# Altium PCB PCB.PcbDoc (continued)
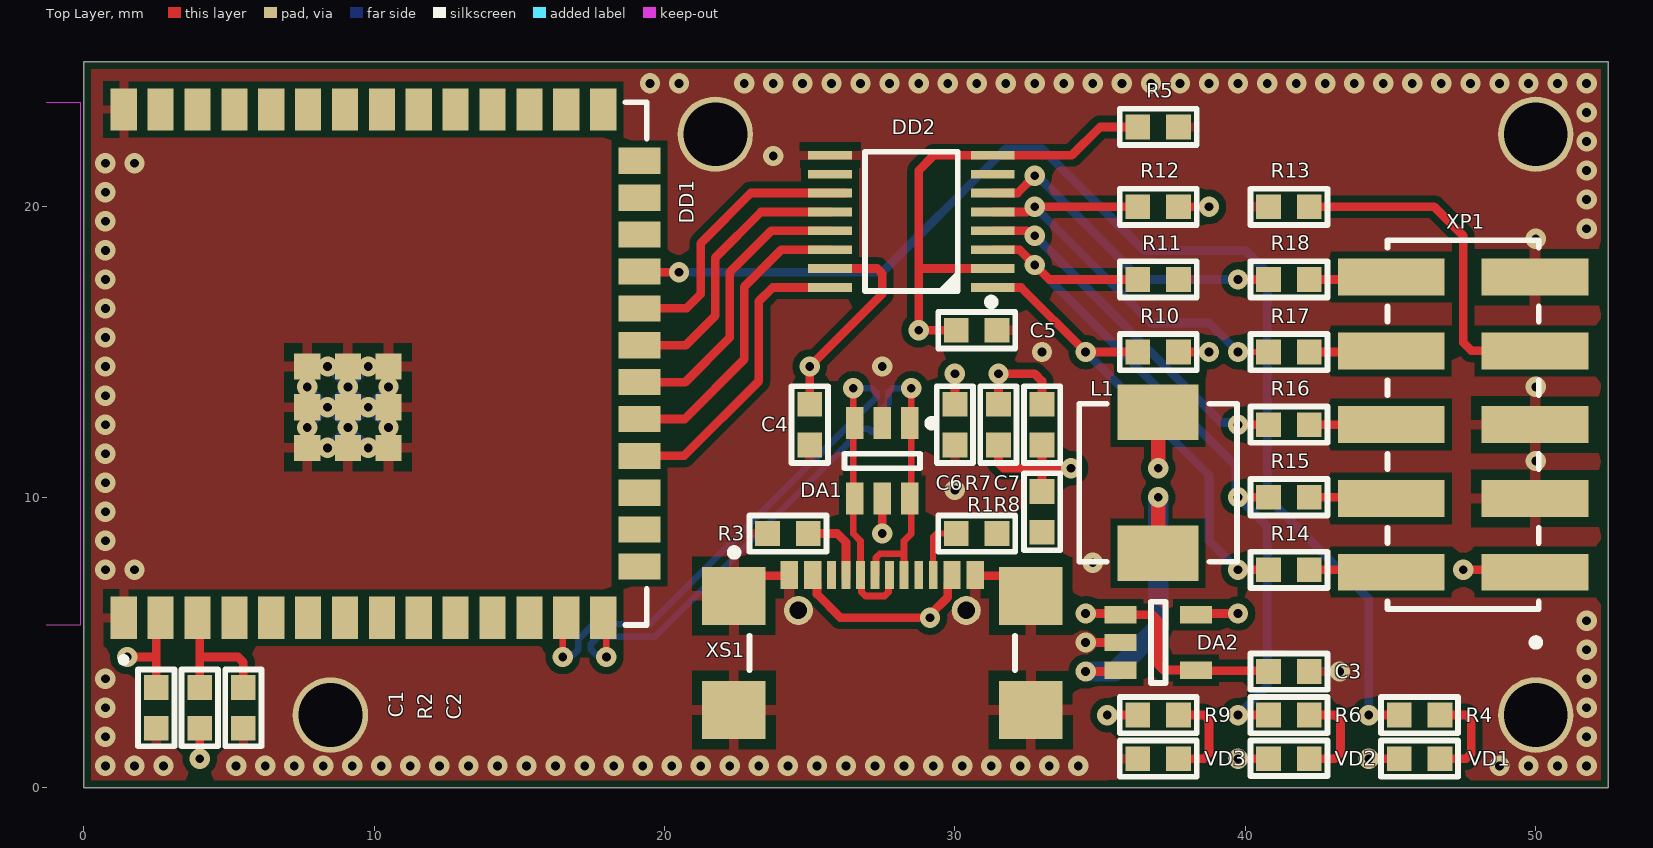
[diagram p0: Top Layer view]
## Footprints (in the part's own frame and the unit in brackets; to place one, negate y for a bottom-side part, rotate by r counter-clockwise, add the part's x,y. Pads: shape width x height; smd on the part's side, far side on the other; paste and mask are expansions set on the pad)
16-SSOP [mm] "pitch 0.635 mm"
  rect 1.5x0.3 smd: 1(-2.8,2.275) 2(-2.8,1.625) 3(-2.8,0.975) 4(-2.8,0.325) 5(-2.8,-0.325) 6(-2.8,-0.975) 7(-2.8,-1.625) 8(-2.8,-2.275) 9(2.8,-2.275) 10(2.8,-1.625) 11(2.8,-0.975) 12(2.8,-0.325) 13(2.8,0.325) 14(2.8,0.975) 15(2.8,1.625) 16(2.8,2.275)
  rect 0.5x0.5 on Mech1: ""(-2.6,2)
  silkscreen extent -2.88,-2.4 1.6,2.9, body extent -3.13,-2.5 3.13,2.5, height 1.73
"BOASVIEWbasic:Ocновной вид платы:2,5:1:0:0" [mm]
"BOASVIEWdrill:Таблица отверстий:0:0:0:0" [mm]
"BOASVIEWlayer:Bottom Layer:10:-1:32:5:auto" [mm]
BOASVIEWlayer:Int1:10:1:2:3:auto [mm]
BOASVIEWlayer:Int2:10:-1:3:4:auto [mm]
"BOASVIEWlayer:Top Layer:10:1:1:2:auto" [mm]
"BOASVIEWrazrez:Разрез платы:50:0:0:0" [mm]
"BOASVIEWside:Вид платы сверху:2,5:0:0:0" [mm]
"CAP: 0603" [mm]
  rect 0.85x0.85 smd: 1(-0.7,0) 2(0.7,0)
  silkscreen extent -1.33,-0.63 1.33,0.63, body extent -0.8,-0.4 0.8,0.4, height 0.45
FP-IHLP-2020CZ-FP_1_905x2-MFG [mm]
  rect 1.905x2.79 smd paste+0 mask+0: 1(-2.425,0) 2(2.425,0)
  silkscreen extent -2.72,-2.72 2.72,2.72, body extent -3.48,-2.82 3.48,2.82, height 0.25
FP-TSM-105-01-F-DV-MFG [mm]
  rect 1.27x3.68 smd paste+0 mask+0: 1(5.08,2.475) 2(5.08,-2.475) 3(2.54,2.475) 4(2.54,-2.475) 5(0,2.475) 6(0,-2.475) 7(-2.54,2.475) 8(-2.54,-2.475) 9(-5.08,2.475) 10(-5.08,-2.475)
  silkscreen extent -6.35,-2.61 7.62,2.63, body extent -6.45,-4.42 6.45,4.42, height 0.25
FP-USB4110-GF-A-MFG [mm]
  rect 0.3x0.95 smd paste+0 mask+0: A8(1.25,3.825) B8(-1.75,3.825) CC1(-1.25,3.825) CC2(1.75,3.825) D+(-0.25,3.825) D+(0.75,3.825) D-(-0.75,3.825) D-(0.25,3.825)
  rect 0.6x0.95 smd paste+0 mask+0: GND(-3.2,3.825) GND(3.2,3.825) VBUS(-2.4,3.825) VBUS(2.4,3.825)
  rect 2.18x2 smd paste+0 mask+0: SHLD(-5.11,-0.825) SHLD(-5.11,3.105) SHLD(5.11,-0.825) SHLD(5.11,3.105)
  round 1 hole 0.6: ""(-2.89,2.605) ""(2.89,2.605)
  silkscreen extent -5.22,0.55 4.57,4.72, body extent -6.3,-3.92 6.3,4.36, height 0.25
"LED: 0603B" [mm]
  rect 0.85x0.85 smd: 1(-0.7,0) 2(0.7,0)
  silkscreen extent -1.33,-0.63 1.33,0.6, body extent -0.8,-0.4 0.8,0.4, height 0.6
"LED: 0603G" [mm]
  rect 0.85x0.85 smd: 1(-0.7,0) 2(0.7,0)
  silkscreen extent -1.33,-0.63 1.33,0.63, body extent -0.8,-0.4 0.8,0.4, height 0.6
"LED: 0603R" [mm]
  rect 0.85x0.85 smd: 1(-0.7,0) 2(0.7,0)
  silkscreen extent -1.33,-0.63 1.33,0.63, body extent -0.8,-0.4 0.8,0.4, height 0.6
"RES: 0603" [mm]
  rect 0.85x0.85 smd: 1(-0.7,0) 2(0.7,0)
  silkscreen extent -1.33,-0.63 1.33,0.63, body extent -0.8,-0.4 0.8,0.4, height 0.45
SOT23-5 [mm] "pitch 0.95 mm"
  rect 1.1x0.6 smd: 1(-1.3,0.95) 2(-1.3,0) 3(-1.3,-0.95) 4(1.3,-0.95) 5(1.3,0.95)
  round 0.5 on Mech1: ""(-1.1,1.1)
  silkscreen extent -0.25,-1.4 0.25,1.4, body extent -1.5,-1.5 1.5,1.5, height 1.3
SOT23-6 [mm] "pitch 0.95 mm"
  rect 1.1x0.6 smd: 1(-1.3,0.95) 2(-1.3,0) 3(-1.3,-0.95) 4(1.3,-0.95) 5(1.3,0) 6(1.3,0.95)
  round 0.5 on Mech1: ""(-1,1.1)
  silkscreen extent -1.42,-1.3 0.25,1.83, body extent -1.4,-1.45 1.4,1.45, height 1.45
? [mm]
  rect 1.45x0.9 smd: 1(-8.75,5.26) 2(-8.75,3.99) 3(-8.75,2.72) 4(-8.75,1.45) 5(-8.75,0.18) 6(-8.75,-1.09) 7(-8.75,-2.36) 8(-8.75,-3.63) 9(-8.75,-4.9) 10(-8.75,-6.17) 11(-8.75,-7.44) 12(-8.75,-8.71) 13(-8.75,-9.98) 14(-8.75,-11.25) 27(8.75,-11.25) 28(8.75,-9.98) 29(8.75,-8.71) 30(8.75,-7.44) 31(8.75,-6.17) 32(8.75,-4.9) 33(8.75,-3.63) 34(8.75,-2.36) 35(8.75,-1.09) 36(8.75,0.18) 37(8.75,1.45) 38(8.75,2.72) 39(8.75,3.99) 40(8.75,5.26)
  rect 0.9x1.45 smd: 15(-6.985,-12.5) 16(-5.715,-12.5) 17(-4.445,-12.5) 18(-3.175,-12.5) 19(-1.905,-12.5) 20(-0.635,-12.5) 21(0.635,-12.5) 22(1.905,-12.5) 23(3.175,-12.5) 24(4.445,-12.5) 25(5.715,-12.5) 26(6.985,-12.5)
  rect 0.9x0.9 smd: 41(-2.9,-2.46) 41(-2.9,-1.06) 41(-2.9,-3.86) 41(-1.5,-1.06) 41(-1.5,-3.86) 41(-1.5,-2.46) 41(-0.1,-1.06) 41(-0.1,-2.46) 41(-0.1,-3.86)
  Keep-Out Layer region: 9,6.75 -9,6.75 -9,12.75 9,12.75
  Keep-Out Layer region: 9,6.75 -9,6.75 -9,12.75 9,12.75
  silkscreen extent -10.3,-12.75 9,5.36, body extent -9,-12.75 9,12.75, height 3.25

## Part data
C1 C2 C3 C4 C5 C6 C7: library part C, Manufacturer="AVX Interconnect / Elco", Part Number=04023J0R9BBWTR
DA1: "RailClamp(R) Low Capacitance TVS Diode Array, 5 pF, 17.5 VC, -55 to 125 degC, 6-Pin SOT23, RoHS, Tape and Reel", Capacitance Value=5pF, Clamping Voltage=17.5V, Clamping Voltage (Max)=12.5V, Leakage Current=5uA, Manufacturer=Semtech, Operating Temp Range=-55Cto125C, Operating Temperature Classification=Military, Operating Temperature Max Deg. C=125C, Operating Temperature Min Deg. C=-55C, Package / Case=SOT-23, Package Description="6-Pin Small Outline Transistor, Body 2.9 x 1.6 mm, Pitch 0.95 mm", Package Reference=SOT23-6, Peak Pulse Current=12A, Peak Pulse Power Dissipation=300W, Reverse Breakdown Voltage=6V, Reverse Stand-off Voltage=5V, Test Current (It)=1mA, Configuration=Quad, Datasheet URL=https://datasheet.ciiva.com/8029/srv05-4-8029973.pdf, Datasheet Version=Jan-08, Direction Type=Uni-Directional, Leakage Current (Max)=5uA, Manufacturer URL=http://www.semtech.com/, Mounting=SurfaceMount, Mounting Style=SurfaceMount, Number of Elements=1, Packaging=TapeandReel, Pin Count=6, Polarity=Uni-Directional, Product Depth (mm)=1.6mm, Product Height (mm)=1.15mm, Product Length (mm)=2.9mm, Rad Hardened=No, Suppressor Type=DiodeArrays, Working Voltage=5V, Working Voltage (Max)=5V
DA2: library part STU_SW, "IC REG BUCK ADJ 2A SOT23-5", Case/Package=SOT-23-5, Max Input Voltage=5.5V, Max Operating Temperature=125°C, Min Input Voltage=2.5V, Min Operating Temperature=-40°C, Min Output Voltage=600mV, Output Current=2A, Switching Frequency=1.5MHz, Max Output Voltage=5.5V, Mount="Surface Mount", Output Configuration=Positive, Output Type=Adjustable, Packaging="Cut Tape", RoHS Compliant=Yes, Synchronous Rectifier=Yes
DD1: library part ESP32-S3, "RX TXRX MODULE WIFI U.FL SMD", Case/Package=SMD/SMT, Frequency=2.5GHz, Max Operating Temperature=85°C, Min Operating Temperature=-40°C, Data Rate=150Mbps, Interface=I2C, Memory Size=536KB, Mount="Surface Mount", Packaging="Tape and Reel", Sensitivity=-98dBm
DD2: Ambient Temperature Range High=85°C, Case/Package=TSSOP, High Level Output Current=-20µA, Low Level Output Current=20µA, Manufacturer Lifecycle Status=ACTIVE, Max Junction Temperature (Tj)=150°C, Max Supply Voltage=5.5V, Min Operating Temperature=-40°C, Min Supply Voltage=1.2V, Quiescent Current=3.5µA, Contact Plating=Gold, Data Rate=100Mbps, Height=1.2mm, Lead Free="Lead Free", Length=5mm, Lifecycle Status=Production, Logic Function=Translator, Max Operating Temperature=85°C, Min Supply Voltage (DC)=1.2V, Mount="Surface Mount", NexarPartId=9437508, Number of Bits=6, Number of Channels=6, Number of Circuits=1, Number of Inputs=6, Number of Outputs=6, Number of Pins=16, Number of Transceivers=6, Output Current=20µA, Packaging="Cut Tape (CT)", Propagation Delay=4ns, Radiation Hardening=No, REACH SVHC="No SVHC", RoHS=Compliant, Schedule B="8542390000, 8542390000", Termination=SMD/SMT, Thickness=1mm, Turn-On Delay Time=9.5ns, Weight=61.887009mg, Width=4.4mm
L1: library part L, "Fixed Inductors Commercial High Saturation Series 2.2uH 5.8A 29.2mΩ 20%", Case/Package=2020, Current Rating=5.8A, DC Resistance (DCR)=29.2mR, Inductance=2.2uH, Inductance Tolerance=20%, Max DC Current=10A, Max Operating Temperature=125°C, Min Operating Temperature=-55°C, Package Quantity=2000, Self Resonant Frequency=39MHz, Test Frequency=100kHz, Contact Plating=Tin, Core Material=Metal, Depth=5.43mm, Height=3mm, Height - Seated (Max)=0.118inch, Lead Free="Lead Free", Length=5.74mm, Military Standard=Not, Mount="Surface Mount", Packaging="Tape and Reel", Radiation Hardening=No, RMS Current (Irms)=5.8A, Saturation Current=10A, Shielding=Shielded, Termination=SMD/SMT, Tolerance=20%, Weight=0.007055oz, Width=0.204inch
R1 R2 R3 R4 R5 R6 R7 R8 R9 R10 R11 R12 R13 R14 R15 R16 R17 R18: library part R, Manufacturer="Yageo / Phycomp", Part Number=RC0402FR-074K7L
VD1: library part LED, "FYLS-0603UGC", Color=GREEN, ColorParameter=Green, Temperature=-55...+150°C, TypeDiode=LED, ValueManufacturerPartNumber="LED, Green, *, *, *, -55...+150°C"
VD2: library part LED, "FYLS-0603UBC", Color=GREEN, ColorParameter=Green, Temperature=-55...+150°C, TypeDiode=LED, ValueManufacturerPartNumber="LED, Green, *, *, *, -55...+150°C"
VD3: library part LED, Color=GREEN, ColorParameter=Green, Temperature=-55...+150°C, TypeDiode=LED, ValueManufacturerPartNumber="LED, Green, *, *, *, -55...+150°C"
XP1: library part TST-10
XS1: library part USB-C, "CONN RCP USB3.1 TYPEC 24P SMD RA", Connector Type=USB, Gender=Receptacle, Mount="Surface Mount", Number of Contacts=24, Number of Pins=24, Packaging="Cut Tape"

## Free pads (board coordinates)
  round 2.6 hole 2.2: 1(8.5,2.5) 1(21.75,22.5) 1(50,2.5) 1(50,22.5)

## Via types
v1: diameter 0.7, hole 0.3, Top Layer to Bottom Layer, tented both sides, 157 vias
v2: diameter 0.7/0.7/0.7/0.7 (per signal layer), hole 0.3, Top Layer to Bottom Layer, tented both sides, 1 vias

## Nets (pads, with @x,y where several pads share a name; then routed paths per layer and width w, separated by ;. In a path a pad name is that pad's centre, name@x,y a point inside that pad or via, vN(x,y) a via of type N, cw(c..) or ccw(c..) an arc to the next point about the centre after c; other vN are vias at no path point)
GND: C1.1 C2.1 C3.1 C4.1 C5.1 C6.1 DA1.2 DA2.2 DD1.1 DD1.40 DD1.41 DD2.9 pad.1 R1.2 R3.2 R5.2 R8.2 R11.1 R13.2 VD1.2 VD2.2 VD3.2 XP1.3 XP1.5 XP1.9 XS1. XS1.GND XS1.SHLD | length 44
  Top Layer w0.3: DD1.41@9.1,13.1 v1(9.1,13.8) ; XS1.SHLD@22.39,6.605 23.085,7.3 XS1.GND@24.3,7.3 ; XS1.GND@30.7,7.3 31.915,7.3 XS1.SHLD@32.61,6.605 ; v1(34.5,5) DA2.2 ; v1(39.75,1) VD2.2 ; v1(44.25,1) VD1.2
  Int1 w0.3: v1(7.7,12.4) v1(8.4,13.1) ; v1(7.7,13.8) v1(8.4,13.1) ; v1(8.4,11.7) v1(9.1,12.4) ; v1(8.4,14.5) v1(9.1,13.8) ; v1(9.8,11.7) v1(9.1,12.4) ; v1(9.8,14.5) v1(9.1,13.8) ; v1(10.5,12.4) v1(9.8,13.1) ; v1(10.5,13.8) v1(9.8,13.1) ; v1(8.4,13.1) v1(9.1,12.4) ; v1(8.4,13.1) v1(9.1,13.8) ; v1(9.1,12.4) v1(9.8,13.1) ; v1(9.1,13.8) v1(9.8,13.1)
  Int2 w0.3: v1(7.7,12.4) v1(8.4,13.1) ; v1(7.7,13.8) v1(8.4,13.1) ; v1(8.4,11.7) v1(9.1,12.4) ; v1(8.4,14.5) v1(9.1,13.8) ; v1(9.8,11.7) v1(9.1,12.4) ; v1(9.8,14.5) v1(9.1,13.8) ; v1(10.5,12.4) v1(9.8,13.1) ; v1(10.5,13.8) v1(9.8,13.1) ; v1(8.4,13.1) v1(9.1,13.8) ; v1(8.4,13.1) v1(9.1,12.4) ; v1(9.1,12.4) v1(9.8,13.1) ; v1(9.1,13.8) v1(9.8,13.1)
  Bottom Layer w0.3: v1(7.7,12.4) v1(8.4,13.1) ; v1(7.7,13.8) v1(8.4,13.1) ; v1(8.4,11.7) v1(9.1,12.4) ; v1(8.4,14.5) v1(9.1,13.8) ; v1(9.8,11.7) v1(9.1,12.4) ; v1(9.8,14.5) v1(9.1,13.8) ; v1(10.5,12.4) v1(9.8,13.1) ; v1(10.5,13.8) v1(9.8,13.1) ; v1(8.4,13.1) v1(9.1,12.4) ; v1(8.4,13.1) v1(9.1,13.8) ; v1(9.1,12.4) v1(9.8,13.1) ; v1(9.1,13.8) v1(9.8,13.1)
  other v1: 0.75,0.75 1.75,0.75 2.75,0.75 5.25,0.75 6.25,0.75 7.25,0.75 8.25,0.75 9.25,0.75 10.25,0.75 11.25,0.75 12.25,0.75 13.25,0.75 14.25,0.75 15.25,0.75 16.25,0.75 17.25,0.75 18.25,0.75 19.25,0.75 20.25,0.75 21.25,0.75 22.25,0.75 23.25,0.75 24.25,0.75 25.25,0.75 26.25,0.75 27.25,0.75 28.25,0.75 29.25,0.75 30.25,0.75 31.25,0.75 32.25,0.75 33.25,0.75 34.25,0.75 48.75,0.75 49.75,0.75 50.75,0.75 51.75,0.75 0.75,1.75 51.75,1.75 0.75,2.75 51.75,2.75 0.75,3.75 51.75,3.75 43.25,4 51.75,4.75 51.75,5.75 0.75,7.5 1.75,7.5 34.746,7.746 0.75,8.5 0.75,9.5 30,10.25 0.75,10.5 50,11.25 0.75,11.5 0.75,12.5 0.75,13.5 50,13.8 0.75,14.5 27.5,14.5 33,15 0.75,15.5 0.75,16.5 0.75,17.5 0.75,18.5 50,18.9 51.75,19.25 0.75,19.5 51.75,20.25 0.75,20.5 51.75,21.25 0.75,21.5 1.75,21.5 23.75,21.75 51.75,22.25 51.75,23.25 19.5,24.25 20.5,24.25 22.75,24.25 23.75,24.25 24.75,24.25 25.75,24.25 26.75,24.25 27.75,24.25 28.75,24.25 29.75,24.25 30.75,24.25 31.75,24.25 32.75,24.25 33.75,24.25 34.75,24.25 35.75,24.25 36.75,24.25 37.75,24.25 38.75,24.25 39.75,24.25 40.75,24.25 41.75,24.25 42.75,24.25 43.75,24.25 44.75,24.25 45.75,24.25 46.75,24.25 47.75,24.25 48.75,24.25 49.75,24.25 50.75,24.25 51.75,24.25
NetC2_2: C2.2 DD1.3 R2.1 | length 4.6
  Top Layer w0.3: DD1.3 4,5.77 4,4.5 ; R2.1@4,3.7 4,4.5 ; C2.2 5.5,4.324 5.324,4.5 4,4.5
NetC3_2: C3.2 DA1.5 DA2.1 DA2.4 XS1.VBUS | length 26.3
  Top Layer w0.3: XS1.VBUS@25.1,7.18 25.25,7.03 25.25,6.668 26.063,5.855 v1(29.145,5.855) 29.145,5.956 29.75,6.561 29.75,7.03 XS1.VBUS@29.9,7.18 ; v1(27.5,8.75) DA1.5 ; v1(34.5,6) 35.65,6 DA2.1 36.8,5.95 37,5.75 37,4.226 37.176,4.05 DA2.4 38.325,4.025 C3.2@40.8,4.025
  Int1 w1: v1(27.5,8.75) 28.5,8.75 29.145,8.105 v1(29.145,5.855) 29.145,5.605 29.961,4.789 30.789,4.789 32,6 v1(34.5,6)
NetC5_2: C5.2 DD2.2 DD2.8 R5.1 R10.1 R12.1 XP1.1 | length 53.1
  Top Layer w0.3: C5.2 v1(28.75,15.75) 28.75,17.875 ; DD2.2 28.75,17.875 ; R5.1 35,22.75 34.025,21.775 DD2.8 29.275,21.775 28.75,21.25 28.75,17.875 ; R10.1 v1(38.75,15) ; R12.1 v1(38.75,20) ; v1(47.5,7.5) 49.895,7.5 XP1.1
  Int1 w1: v1(28.75,15.75) 29.25,16.25 35,16.25 36.25,17.5 ; v1(38.75,20) 36.25,17.5 ; v1(47.5,7.5) 47.5,13.25 47,13.75 39.25,13.75 38.75,14.25 v1(38.75,15) 36.25,17.5
NetC7_1: C7.1 DA2.5 R7.2 R8.1 | length 14
  Top Layer w0.3: R7.2 31.5,11.176 31.676,11 33,11 ; R8.1 33,11 ; C7.1 33,11 ; v1(34,11) 33,11 ; DA2.5 DA2.5@38.325,5.975 ; DA2.5@38.4,5.975 38.425,6 v1(39.75,6)
  Int1 w1: v1(34,11) 34.25,11 39.25,6 v1(39.75,6)
NetDA1_1: DA1.1 DA1.6 DD1.14 XS1.D+ | length 25.8
  Top Layer w0.23: DD1.14 18,5.74 v1(18,4.5) ; XS1.D+@27.25,7.3 27.285,7.335 27.285,7.92 27.42,8.055 28.25,8.055 ; XS1.D+@28.25,7.3 28.25,8.055 ; v1(28.5,13.75) 28.5,12.6 DA1.1 28.5,12.5 28.5,10 DA1.6 28.5,9.9 28.5,8.75 28.25,8.5 28.25,8.055
  Bottom Layer w0.23: v1(18,4.5) 17.91,4.59 17.632,4.59 17.465,4.757 17.465,4.947 17.712,5.195 19.663,5.195 25,10.532 25.622,11.154 26.234,11.766 26.831,12.363 27.022,12.363 27.123,12.262 27.175,12.262 27.639,12.726 27.639,12.778 27.538,12.879 27.538,13.07 27.715,13.247 27.715,13.615 27.85,13.75 v1(28.5,13.75)
NetDA1_3: DA1.3 DA1.4 DD1.13 XS1.D- | length 25.8
  Top Layer w0.23: v1(16.5,4.5) 16.5,5.73 DD1.13 ; v1(26.5,13.75) 26.5,12.6 DA1.3 26.5,12.5 26.5,10 DA1.4 26.5,9.9 26.5,8.75 26.75,8.5 XS1.D-@26.75,7.325 ; XS1.D-@26.75,7.3 26.785,7.265 26.785,6.735 26.92,6.6 27.58,6.6 27.715,6.735 27.715,7.145 XS1.D-@27.75,7.18
  Bottom Layer w0.23: v1(16.5,4.5) 16.59,4.59 16.868,4.59 17.035,4.757 17.035,5.125 17.534,5.625 19.233,5.625 19.485,5.625 19.663,5.803 25,11.14 25.318,11.458 27.285,13.425 27.285,13.615 27.15,13.75 v1(26.5,13.75)
NetDA2_3: DA2.3 L1.1 | length 10.8
  Top Layer w0.3: v1(34.5,4) 35.65,4 DA2.3
  Top Layer w0.5: L1.1 v1(37,10)
  Bottom Layer w0.7: v1(34.5,4) 35.5,4 37,5.5 v1(37,10)
NetDD1_18: DD1.18 DD2.16 | length 11.1
  Top Layer w0.3: DD1.18 20.675,11.425 23.25,14 23.25,16.75 23.725,17.225 DD2.16@26.219,17.225
NetDD1_19: DD1.19 DD2.14 | length 10.4
  Top Layer w0.3: DD1.19 20.695,12.695 22.75,14.75 22.75,17.25 24.025,18.525 DD2.14
NetDD1_20: DD1.20 DD2.13 | length 10
  Top Layer w0.3: DD1.20 20.715,13.965 22.25,15.5 22.25,17.75 23.675,19.175 DD2.13
NetDD1_21: DD1.21 DD2.12 | length 9.6
  Top Layer w0.3: DD1.21 20.735,15.235 21.75,16.25 21.75,18.25 23.325,19.825 DD2.12
NetDD1_22: DD1.22 DD2.11 | length 9.8
  Top Layer w0.3: DD1.22 20.755,16.505 21.25,17 21.25,18.75 22.975,20.475 DD2.11@26.223,20.475
NetDD1_23: DD1.23 R4.2 | length 42.9
  Top Layer w0.2: DD1.23 DD1.23@19.165,17.75
  Top Layer w0.3: DD1.23@19.165,17.75 v1(20.5,17.75) ; v1(44.25,2.5) R4.2
  Bottom Layer w0.3: v1(20.5,17.75) 27.5,17.75 31.5,21.75 31.75,22 33,22 36.5,18.5 40,18.5 40.75,17.75 40.75,10 44.25,6.5 v1(44.25,2.5)
NetDD2_1: DD2.1 R10.2 R14.2 | length 16.6
  Top Layer w0.3: DD2.1 32.275,17.225 v1(34.5,15) R10.2 ; v1(39.75,7.5) R14.2
  Bottom Layer w0.3: v1(34.5,15) 38.75,10.75 38.75,8.5 v1(39.75,7.5)
NetDD2_3: DD2.3 R6.2 R11.2 R15.2 | length 26.8
  Top Layer w0.3: DD2.3 32.225,18.525 33.25,17.5 R11.2 ; v1(39.75,2.5) R6.2 ; v2(39.75,10) R15.2
  Bottom Layer w0.3: v1(32.75,18) 39.673,11.076 39.673,10.077 40.75,9 40.75,3.5 v1(39.75,2.5)
NetDD2_4: DD2.4 R16.2 | length 12.3
  Top Layer w0.3: DD2.4 32.467,19.175 32.642,19 v1(32.75,19) ; v1(39.75,12.5) R16.2
  Bottom Layer w0.3: v1(32.75,19) 39.173,12.577 39.673,12.577 v1(39.75,12.5)
NetDD2_5: DD2.5 R12.2 R17.2 | length 15.3
  Top Layer w0.2: v1(39.75,15) R17.2
  Top Layer w0.3: DD2.5 32.467,19.825 32.642,20 R12.2
  Bottom Layer w0.3: v1@32.625,19.875 32.875,19.875 36.75,16 38.75,16 v1(39.75,15)
  other v1: 32.75,20
NetDD2_6: DD2.6 R18.2 | length 11.2
  Top Layer w0.3: DD2.6 32.158,20.475 v1(32.75,21.067) ; v1(39.75,17.5) R18.2
  Bottom Layer w0.3: v1(32.75,21.067) 32.836,21.067 36.403,17.5 v1(39.75,17.5)
NetR1_1: R1.1 XS1.CC2 | length 2.3
  Top Layer w0.2: XS1.CC2@29.25,7.18 29.25,8.64 29.367,8.757 29.957,8.757 R1.1@30,8.8
NetR3_1: R3.1 XS1.CC1 | length 2.7
  Top Layer w0.3: R3.1 25.949,8.75 26.25,8.449 XS1.CC1@26.25,7.18
NetR4_1: R4.1 VD1.1 | length 3.4
  Top Layer w0.3: VD1.1@46.725,1 47.599,1 47.775,1.176 47.775,2.324 47.599,2.5 R4.1@46.725,2.5
NetR6_1: R6.1 VD2.1 | length 3.4
  Top Layer w0.3: VD2.1@42.225,1 43.099,1 43.275,1.176 43.275,2.324 43.099,2.5 R6.1@42.225,2.5
NetR9_1: R9.1 VD3.1 | length 3.3
  Top Layer w0.3: VD3.1@37.725,1 38.574,1 38.75,1.176 38.75,2.324 38.574,2.5 R9.1@37.725,2.5
NetR13_1: R13.1 XP1.7 | length 12
  Top Layer w0.3: R13.1 46.5,20 47.5,19 47.5,15.33 47.79,15.04 XP1.7
NetR14_1: R14.1 XP1.2 | length 2.9
  Top Layer w0.3: R14.1 44.945,7.5 XP1.2
NetR15_1: R15.1 XP1.4 | length 2.8
  Top Layer w0.3: R15.1 44.985,10 XP1.4
NetR16_1: R16.1 XP1.6 | length 2.8
  Top Layer w0.3: R16.1 XP1.6
NetR17_1: R17.1 XP1.8 | length 2.8
  Top Layer w0.3: R17.1 44.985,15 XP1.8
NetR18_1: R18.1 XP1.10 | length 2.9
  Top Layer w0.3: R18.1 44.945,17.5 XP1.10
VDD: C1.2 C4.2 C6.2 C7.2 DD1.2 DD2.15 L1.2 R2.2 R7.1 R9.2 | length 85.9
  Top Layer w0.3: v1(1.5,4.5) 2.5,4.5 ; C1.2@2.5,3.7 2.5,4.5 ; DD1.2 2.5,5.7 2.5,4.5 ; v1(4,1) R2.2 ; C4.2 25.029,13.229 25,13.259 v1(25,14.5) 27.5,17 27.5,17.699 27.324,17.875 DD2.15 ; C6.2 v1(30,14.25) ; R7.1 v1(31.5,14.25) 32.75,14.25 33,14 C7.2 ; v1(35.25,2.5) R9.2
  Top Layer w0.5: v1(37,11) L1.2
  Int1 w0.7: 31.75,12 31.75,10.5 32.75,9.5 34.371,9.5 37,6.871 37,4.25 v1(35.25,2.5)
  Int1 w1: v1(1.5,4.5) 5.5,4.5 5.5,2.5 v1(4,1) ; 25,10.25 v1(25,14.5) ; 30,12 v1(30,14.25) ; v1(31.5,14.25) 32.75,13 ; v1(37,11) 37,13
  Int1 w2: 5.5,4.5 11.25,10.25 25,10.25 26.25,10.25 28,12 30,12 31.75,12 32.75,13 37,13
pads on no net: DA1. DA2. DD1.4 DD1.5 DD1.6 DD1.7 DD1.8 DD1.9 DD1.10 DD1.11 DD1.12 DD1.15 DD1.16 DD1.17 DD1.24 DD1.25 DD1.26 DD1.27 DD1.28 DD1.29 DD1.30 DD1.31 DD1.32 DD1.33 DD1.34 DD1.35 DD1.36 DD1.37 DD1.38 DD1.39 DD2. DD2.7 DD2.10 XS1.A8 XS1.B8

## Polygon pours and split planes (outlines as drawn)
GND on Bottom Layer "GND_L04_P005" (solid, remove dead copper, pour order 5): 0,0 0,25 52.5,25 52.5,0
GND on Int1 "GND_L02_P004" (solid, remove dead copper, pour order 4): 0,0 0,25 52.5,25 52.5,0
GND on Int2 "GND_L03_P002" (solid, remove dead copper, pour order 2): 0,0 0,25 52.5,25 52.5,0
GND on Top Layer "GND_L01_P001" (solid, remove dead copper, pour order 1): 0,0 0,25 52.5,25 52.5,0

## Silkscreen, mask and mechanical layers (free items; w line width, h text height)
Mechanical 7:
  text "BOASFORMAT|А3|1|0|883070867|165354330|1000000000|2,5:1|" at -22.9,2517.1 h0
  text "BOASFORMAT|А2|2|165354330|834645670|399212597|1000000000|10:1|Top Layer" at 397.1,2517.1 h0
  text "BOASFORMAT|А2|3|399212597|834645670|633070864|1000000000|10:1|Int1" at 991.1,2517.1 h0
  text "BOASFORMAT|А2|4|633070864|834645670|866929131|1000000000|10:1|Int2" at 1585.1,2517.1 h0
  text "DimV|0|-24606299|24566929|991673228|-3740157|-13169291|2,5||||h12|False|True|False|False|2" at 39.5,2495.95 h0
  text "DimOs|23287402|984114173|23287403|964429135" at 36.25,2476.75 h0
  text "DimOs|64133858|984114175|23287402|984114173" at 140,2476.75 h0
  text "DimOs|64133858|984114175|36328741|984114175" at 140,2476.75 h0
  text "DimV|0|-19685040|78700788|983523624|6102362|-8464569|2,5||||js12|False|True|False|False|2" at 177,2475.25 h0
  text "DimH|-27805117|0|78700788|983523624|-13779528|6200785|2,5||||js12|False|True|False|False|2" at 177,2475.25 h0
  text "DimV|2460629|-2460315|73779528|969527244|6102362|-2834331|2,5||||js12|False|True|False|False|2" at 164.5,2439.699 h0
  text "DimV|-2460629|-2440630|76240157|969527244|3543308|-5196535|2,5||||js12|False|True|False|False|2" at 170.75,2439.699 h0
  text "DimH|-51663385|9843|76240157|967066929|-20964566|-9232283|2,5||||h12|False|True|False|False|2" at 170.75,2433.45 h0
  text "DimH|-49212599|-2450631|73779528|965698662|-20472441|-8848268|2,5||||js12|False|True|False|False|2" at 164.5,2429.975 h0
  text "DimOs|23287403|964429135|64133858|964429135" at 36.25,2426.75 h0
  text "DimOs|64133858|964429135|64133858|984114175" at 140,2426.75 h0
  text "DimV|-2460630|-2460631|66594488|964429135|3444882|-1279529|2,5||||js12|False|True|False|False|2" at 146.25,2426.75 h0
  text "DimH|-40846455|0|78700788|963838584|-20472442|-6003938|2,5||||js12|False|True|False|False|2" at 177,2425.25 h0
  text "DimV|0|-1476378|76240157|946220472|3641733|-3149606|2,5||||js12|False|True|False|False|2" at 170.75,2380.5 h0
  text "DimRoughness|0|0|-26830709|-938641732|1|||||0|0|False|2" at 45.25,2361.25 h0
  text "DimRoughness|0|0|-28996063|-944251968|1|||||0|0|False|2" at 45.25,2357.5 h0 r180
  text "DimLitera|45826772|896515748|20078741|-18996063|1|||||0|0|False" at 42.5,2302.5 h0
  text "DimLitera|44547244|922303150|18799213|6791339|1|||Препрег 1||0|0|False" at 42.5,2302.5 h0
  text "DimLitera|44645669|907834646|18897638|-3740157|1|||Диэлектрик||0|0|False" at 42,2292.25 h0
  text "DimLitera|44645669|895826772|18897638|-11811023|1|||Препрег 2||0|0|False" at 45.693,2281.25 h0
  text "1. На главном виде проводящий рисунок условно не показан. / 2. Общие допуски формы и расположения по ГОСТ 30893.2-2002 -  / класс точности H. / 3. Шаг координатной сетки 0,25мм по ГОСТ Р 51040-97. / 4. Плату изготовить методом сквозной металлизации. / 5. Класс точности платы по ГОСТ Р 53429-2009 - 3. / 6. Параметры отверстий платы приведены в таблице 1. / 7. Плата должна соответствовать ГОСТ 23752-79, группа жесткости - 1. / 8. Финишное покрытие метализированных поверхностей меди по ГОСТ 9.301-86 толщиной не более 500мкм флюсом ЛТИ-120 ГОСТ 19250-73 и припоем ПОС-61 ГОСТ 21930-76. / 9. Контроль электрической целостности по ГОСТ 23752.1-92. / 10. Остальные технические требования по ОСТ 4 ГО.070.014-75." at 207.1,2281 h6.15
  text "BOASFORMAT|А2|5|0|669291340|233858267|834645670|10:1|Bottom Layer" at -22.9,2097.1 h0
  text "SET2|Superlayer=MechanicalLayer7|Wsuperlayer=MechanicalLayer8|Layergrid=MechanicalLayer9|Werase=MechanicalLayer11|Layermark=MechanicalLayer12|Layerstamp=MechanicalLayer13|Gridline=0,15|Boardline=0,5|Contourpolygonline=0,3|PcbGridStep=0,25|PcbGridNumbering=True|PcbGridCleareanceAtView=0|PcbGridNumberEach=l4|PcbGridLineEach=l1|PcbGridCountSecondaryStrip=3|PcbGridEnabledStrip=True|PcbGridHorizontal90=False|PcbGridWhiteAreaBeforeText=False|PcbSignalGridEnabled=True|PcbSignalShowBukva=True|RealSignalLayerNames=False|PcbGridTextsEnabledBothSide=l2|PcbGridEnabledBothSide=l4|PcbPolarGridEnabled=False|PcbPolarGridAngleStep=10|PcbPolarGridRadialStep=10|PcbPolarGridCenterPcbGrid=False|SilkShowPad=True|SilkViewName=Слой маркировки|SilkShowHole=True|SilkShowAxis=True|SilkShowBukva=True|SilkShowGrid=True|SolderShowGrid=True|SolderViewName=Слой маски|SolderShowAxis=True|SolderShowBukva=True|MainViewShowGrid=False|MainViewMinDiameterHoles=2|MainViewUseShapesDrill=True|ShowBukvaOnSboky=False|ShowBukvaViews=True|Density=2,2|CustomHoleSizeFactor=100|PcbDoubleLineHeader=False|PcbAccuracy=a3|TableName=Таблица 1|RazrezWidth=100|RealLayerNames=False|RazrezShowBukva=True|RazrezBukva=В-В|Sher=Ra 25|Asstoplayer=MechanicalLayer1|Asstoplayer2=None|Assbottomlayer=MechanicalLayer2|Assbottomlayer2=None|AssMinDiameterHoles=2|AssDim=False|AssMech=False|AssSilk=False|AssComponentSilk=False|AssFreeSilk=False|AssSmdPads=False|AssGridEnable=False|AssShowBukva=True|Mirror=Horisontal|PcbGridFontSize=2,5|PcbGridCenterZero=False|TTStampDistance=12|MainFontSize=3,5|PolyShtrihEnable=True|RegionShtrihEnable=True|PolyStep=2|PcbDrillDrawingGridEnabled=False|PcbDrillDrawingViewName=Слой сверловки|PcbDrillDrawingShowBukva=False|PcbDrillDrawingShowAxis=True|PcbSignalLayersUseDrill=True|PcbSignalLayersUseWhiteHoles=True|PcbSignalLayersUseShapesDrill=True|PcbSignalLayersShowAxis=True|Thinline=0,15|Basicline=0,5" at -22.9,-22.875 h0
  text "STAMP|Первичная применяемость|ИУ4.11.03.03.21.83.16.002" at -22.9,-22.9 h0
  text "STAMP|Обозначение|ИУ4.11.03.03.21.83.16.002 СБ" at -22.9,-22.9 h0
  text "STAMP|Проверил|Леонидов В. С." at -22.9,-22.9 h0
  text "STAMP|Разработал|Круглов В. С." at -22.9,-22.9 h0
  text "STAMP|Наименование1|Плата печатная многослойная" at -22.9,-22.9 h0
  text "BOASVIADRILLTABLE:circle1001,118110,158,h12" at -22.9,-22.9 h0
  text "2BOASDRILLTABLE:circle1100,236220,Да,2,True,ГОСТ 53429 с/опл|circle0101,866142,Да,4,True,ГОСТ 53429 с/опл" at -22.9,-22.9 h0
Mechanical 8:
  drawing of 40 lines, arcs and shapes, not listed
Mechanical 9:
  drawing of 101 lines, arcs and shapes, not listed
  text "28,25±0,105" at 118.325,2507.979 h5.38
  text "-0,21" at 28.72,2464.17 h3.84 r90
  text "25" at 27.47,2458.703 h5.38 r90
  text "20±0,105" at 177.47,2456.663 h5.38 r90
  text "41,5±0,125" at 103.285,2426.979 h5.38
  text "50±0,125" at 93.971,2419.755 h5.38
  text "52,5" at 97.019,2412.53 h5.38
  text "2,5±0,05" at 177.47,2412.125 h5.38 r90
  text "-0,3" at 107.989,2411.28 h3.84
  text "В" at 147.914,2399.232 h15.36
  text "В" at 147.7,2365.125 h15.36
  text "1,5±0,2" at 177.47,2356.699 h5.38 r90
  text "2" at 20.485,2305.03 h5.38
  text "1" at 16.153,2294.78 h5.38
Top 3D Body:
  drawing of 191 lines, arcs and shapes, not listed
  text "ИУ4.11.03.03.21.83.16.002 СБ" at 66.602,2507.212 h7.17 r180
  text "ИУ4.11.03.03.21.83.16.002 СБ" at 486.602,2507.212 h7.17 r180
  text "ИУ4.11.03.03.21.83.16.002 СБ" at 1080.602,2507.212 h7.17 r180
  text "ИУ4.11.03.03.21.83.16.002 СБ" at 1674.602,2507.212 h7.17 r180
  text "Ra 25" at 341.8,2493.8 h10.75
  text "(" at 365.1,2493.8 h10.75
  text ")" at 376.1,2493.8 h10.75
  text "Перв. примен." at -10.818,2469.213 h5.38 r90
  text "ИУ4.11.03.03.21.83.16.002" at -4.818,2459.572 h5.38 r90
  text "Справ. №" at -10.818,2412.768 h5.38 r90
  text "Подп. и дата" at -10.818,2339.864 h5.38 r90
  text "Инв. № дубл." at -10.818,2310.342 h5.38 r90
  text "Взам. инв. №" at -10.818,2285.295 h5.38 r90
  text "ИУ4.11.03.03.21.83.16.002 СБ" at 280.393,2269.435 h10.75
  text "Лит." at 345.664,2261.018 h5.38
  text "Масса" at 360.339,2261.018 h5.38
  text "Масштаб" at 374.694,2261.018 h5.38
  text "Изм." at 206.898,2256.018 h5.38
  text "Лист" at 214.443,2256.018 h5.38
  text "№ докум." at 227.204,2256.018 h5.38
  text "Подп." at 249.878,2256.018 h5.38
  text "Дата" at 262.005,2256.018 h5.38
  text "Подп. и дата" at -10.818,2255.364 h5.38 r90
  text "Плата печатная многослойная" at 272.601,2254.291 h6.15
  text "Разраб." at 207.633,2250.871 h5.38
  text "Круглов В. С." at 224.78,2250.871 h4.64
  text "4 г" at 361.1,2250.339 h7.68
  text "2,5:1" at 377.228,2250.339 h7.68
  text "Пров." at 207.633,2245.871 h5.38
  text "Леонидов В. С." at 224.78,2245.871 h4.27
  text "Т.контр." at 207.633,2240.871 h5.38
  text "Лист" at 343.542,2240.871 h5.38
  text "Листов" at 364.585,2240.871 h5.38
  text "5" at 383.824,2240.871 h5.38
  text "Н.контр." at 207.633,2230.871 h5.38
  text "Утв." at 207.633,2225.871 h5.38
  text "Инв. № подл." at -10.818,2225.342 h5.38 r90
  text "Копировал" at 282.633,2220.871 h5.38
  text "Формат А3" at 361.25,2220.871 h5.38
  text "Подп. и дата" at 409.182,2216.864 h5.38 r90
  text "Подп. и дата" at 1003.182,2216.864 h5.38 r90
  text "Подп. и дата" at 1597.182,2216.864 h5.38 r90
  text "Инв. № дубл." at 409.182,2187.342 h5.38 r90
  text "Инв. № дубл." at 1003.182,2187.342 h5.38 r90
  text "Инв. № дубл." at 1597.182,2187.342 h5.38 r90
  text "Взам. инв. №" at 409.182,2162.295 h5.38 r90
  text "Взам. инв. №" at 1003.182,2162.295 h5.38 r90
  text "Взам. инв. №" at 1597.182,2162.295 h5.38 r90
  text "Подп. и дата" at 409.182,2132.364 h5.38 r90
  text "Подп. и дата" at 1003.182,2132.364 h5.38 r90
  text "Подп. и дата" at 1597.182,2132.364 h5.38 r90
  text "Лист" at 976.443,2111.6 h5.38
  text "Лист" at 1570.443,2111.6 h5.38
  text "Лист" at 2164.443,2111.6 h5.38
  text "ИУ4.11.03.03.21.83.16.002 СБ" at 869.393,2106.435 h10.75
  text "ИУ4.11.03.03.21.83.16.002 СБ" at 1463.393,2106.435 h10.75
  text "ИУ4.11.03.03.21.83.16.002 СБ" at 2057.393,2106.435 h10.75
  text "2" at 979.916,2104.1 h5.38
  text "3" at 1573.916,2104.1 h5.38
  text "4" at 2168.14,2104.1 h5.38
  text "Изм." at 800.898,2103.1 h5.38
  text "Лист" at 808.443,2103.1 h5.38
  text "№ докум." at 820.754,2103.1 h5.38
  text "Подп." at 843.878,2103.1 h5.38
  text "Дата" at 856.005,2103.1 h5.38
  text "Изм." at 1394.898,2103.1 h5.38
  text "Лист" at 1402.443,2103.1 h5.38
  text "№ докум." at 1414.754,2103.1 h5.38
  text "Подп." at 1437.878,2103.1 h5.38
  text "Дата" at 1450.005,2103.1 h5.38
  text "Изм." at 1988.898,2103.1 h5.38
  text "Лист" at 1996.443,2103.1 h5.38
  text "№ докум." at 2008.754,2103.1 h5.38
  text "Подп." at 2031.878,2103.1 h5.38
  text "Дата" at 2044.005,2103.1 h5.38
  text "Инв. № подл." at 409.182,2102.342 h5.38 r90
  text "Инв. № подл." at 1003.182,2102.342 h5.38 r90
  text "Инв. № подл." at 1597.182,2102.342 h5.38 r90
  text "Копировал" at 876.633,2097.871 h5.38
  text "Формат А2" at 955.253,2097.871 h5.38
  text "Копировал" at 1470.633,2097.871 h5.38
  text "Формат А2" at 1549.253,2097.871 h5.38
  text "Копировал" at 2064.633,2097.871 h5.38
  text "Формат А2" at 2143.253,2097.871 h5.38
  text "ИУ4.11.03.03.21.83.16.002 СБ" at 66.602,2087.212 h7.17 r180
  text "Подп. и дата" at -10.818,1796.864 h5.38 r90
  text "Инв. № дубл." at -10.818,1767.342 h5.38 r90
  text "Взам. инв. №" at -10.818,1742.295 h5.38 r90
  text "Подп. и дата" at -10.818,1712.364 h5.38 r90
  text "Лист" at 556.443,1691.6 h5.38
  text "ИУ4.11.03.03.21.83.16.002 СБ" at 449.393,1686.435 h10.75
  text "5" at 559.824,1684.1 h5.38
  text "Изм." at 380.898,1683.1 h5.38
  text "Лист" at 388.443,1683.1 h5.38
  text "№ докум." at 400.754,1683.1 h5.38
  text "Подп." at 423.878,1683.1 h5.38
  text "Дата" at 436.005,1683.1 h5.38
  text "Инв. № подл." at -10.818,1682.342 h5.38 r90
  text "Копировал" at 456.633,1677.871 h5.38
  text "Формат А2" at 535.253,1677.871 h5.38
Bottom Courtyard:
  the board outline again, w0.254

## Text inside footprints (layer, text, board x,y; h text height)
ZBOAS336492469: Bottom Component Outline "Слой 4" at 36.941,2233.214 h5.38; Bottom Component Outline "Слой 3" at 36.702,2239.864 h5.38; Bottom Component Outline "Слой 2" at 36.707,2338.964 h5.38; Bottom Component Outline "Слой 1" at 37.135,2345.614 h5.38; Bottom Component Outline "В-В(50:1)" at 88.271,2356.834 h15.36; Bottom Component Outline "Б(4,5)" at 118.054,2336.834 h15.36; Bottom Component Outline "А(2,3)" at 118.054,2228.994 h15.36
ZBOAS905598657: Bottom Component Outline "2,6" at 305.018,2451.543 h5.38; Bottom Component Outline "Да" at 345.248,2451.543 h5.38; Bottom Component Outline "-0,18" at 269.054,2450.745 h3.84; Bottom Component Outline "+0,05" at 269.054,2454.245 h3.84; Bottom Component Outline "2,2" at 261.846,2451.543 h5.38; Bottom Component Outline "4" at 374.37,2451.543 h5.38; Bottom Component Outline "1,0" at 305.575,2459.668 h5.38; Bottom Component Outline "Да" at 345.248,2459.668 h5.38; Bottom Component Outline "-0,13" at 268.91,2458.87 h3.84; Bottom Component Outline "0,6" at 261.99,2459.668 h5.38; Bottom Component Outline "2" at 374.146,2459.668 h5.38; Bottom Component Outline "0,7" at 304.944,2466.168 h5.38; Bottom Component Outline "Да" at 345.248,2466.168 h5.38; Bottom Component Outline "-0,1" at 268.97,2465.37 h3.84; Bottom Component Outline "0,3" at 261.93,2466.168 h5.38; Bottom Component Outline "158" at 372.496,2466.168 h5.38; Bottom Component Outline "отв." at 371.631,2472.418 h5.38; Bottom Component Outline "Кол." at 371.708,2478.418 h5.38; Bottom Component Outline "металлизации" at 334.069,2472.418 h5.38; Bottom Component Outline "Наличие" at 340.025,2478.418 h5.38; Bottom Component Outline "площадки, мм" at 294.504,2472.418 h5.38; Bottom Component Outline "Диаметр контактной" at 286.6,2478.418 h5.38; Bottom Component Outline "мм" at 263.567,2472.418 h5.38; Bottom Component Outline "Диаметр отв.," at 252.342,2478.418 h5.38; Bottom Component Outline "обозначение отв." at 210.443,2472.418 h5.38; Bottom Component Outline "Условное" at 218.512,2478.418 h5.38; Bottom Component Outline "Таблица 1" at 207.1,2484.5 h5.38
ZBOAS1201875177: Mechanical 7 "Б(10:1)(1)" at 259.55,2026.56 h15.36; Mechanical 7 "52" at 538.013,2014.5 h4.37; Mechanical 7 "51" at 528.187,2014.5 h4.37; Mechanical 7 "50" at 517.994,2014.5 h4.37; Mechanical 7 "49" at 507.94,2014.5 h4.37; Mechanical 7 "48" at 497.895,2014.5 h4.37; Mechanical 7 "47" at 487.881,2014.5 h4.37; Mechanical 7 "46" at 478.013,2014.5 h4.37; Mechanical 7 "45" at 467.885,2014.5 h4.37; Mechanical 7 "44" at 458.061,2014.5 h4.37; Mechanical 7 "43" at 447.964,2014.5 h4.37; Mechanical 7 "42" at 437.966,2014.5 h4.37; Mechanical 7 "41" at 428.14,2014.5 h4.37; Mechanical 7 "40" at 417.948,2014.5 h4.37; Mechanical 7 "39" at 407.982,2014.5 h4.37; Mechanical 7 "38" at 397.938,2014.5 h4.37; Mechanical 7 "37" at 387.924,2014.5 h4.37; Mechanical 7 "36" at 378.055,2014.5 h4.37; Mechanical 7 "35" at 367.928,2014.5 h4.37; Mechanical 7 "34" at 358.104,2014.5 h4.37; Mechanical 7 "33" at 348.007,2014.5 h4.37; Mechanical 7 "32" at 338.009,2014.5 h4.37; Mechanical 7 "31" at 328.183,2014.5 h4.37; Mechanical 7 "30" at 317.99,2014.5 h4.37; Mechanical 7 "29" at 307.98,2014.5 h4.37; Mechanical 7 "28" at 297.936,2014.5 h4.37; Mechanical 7 "27" at 287.922,2014.5 h4.37; Mechanical 7 "26" at 278.053,2014.5 h4.37; Mechanical 7 "25" at 267.926,2014.5 h4.37; Mechanical 7 "24" at 258.102,2014.5 h4.37; Mechanical 7 "23" at 248.005,2014.5 h4.37; Mechanical 7 "22" at 238.007,2014.5 h4.37; Mechanical 7 "21" at 228.181,2014.5 h4.37; Mechanical 7 "20" at 217.988,2014.5 h4.37; Mechanical 7 "19" at 208.499,2014.5 h4.37; Mechanical 7 "18" at 198.454,2014.5 h4.37; Mechanical 7 "17" at 188.44,2014.5 h4.37; Mechanical 7 "16" at 178.571,2014.5 h4.37; Mechanical 7 "15" at 168.444,2014.5 h4.37; Mechanical 7 "14" at 158.62,2014.5 h4.37; Mechanical 7 "13" at 148.523,2014.5 h4.37; Mechanical 7 "12" at 138.525,2014.5 h4.37; Mechanical 7 "11" at 128.699,2014.5 h4.37; Mechanical 7 "10" at 118.507,2014.5 h4.37; Mechanical 7 "9" at 109.011,2014.5 h4.37; Mechanical 7 "8" at 98.93,2014.5 h4.37; Mechanical 7 "7" at 89.013,2014.5 h4.37; Mechanical 7 "6" at 79.011,2014.5 h4.37; Mechanical 7 "5" at 68.826,2014.5 h4.37; Mechanical 7 "4" at 59.084,2014.5 h4.37; Mechanical 7 "3" at 48.901,2014.5 h4.37; Mechanical 7 "2" at 38.901,2014.5 h4.37; Mechanical 7 "1" at 29.337,2014.5 h4.37; Mechanical 7 "0" at 18.954,2014.5 h4.37; Mechanical 7 "25" at 11.986,1760.313 h4.37; Mechanical 7 "24" at 12.339,1770.313 h4.37; Mechanical 7 "23" at 12.144,1780.313 h4.37; Mechanical 7 "22" at 12.148,1790.313 h4.37; Mechanical 7 "21" at 12.496,1800.313 h4.37; Mechanical 7 "20" at 12.112,1810.313 h4.37; Mechanical 7 "19" at 13.132,1820.313 h4.37; Mechanical 7 "18" at 13.043,1830.313 h4.37; Mechanical 7 "17" at 13.015,1840.313 h4.37; Mechanical 7 "16" at 13.278,1850.313 h4.37; Mechanical 7 "15" at 13.023,1860.313 h4.37; Mechanical 7 "14" at 13.375,1870.313 h4.37; Mechanical 7 "13" at 13.181,1880.313 h4.37; Mechanical 7 "12" at 13.185,1890.313 h4.37; Mechanical 7 "11" at 13.533,1900.313 h4.37; Mechanical 7 "10" at 13.148,1910.313 h4.37; Mechanical 7 "9" at 14.156,1920.313 h4.37; Mechanical 7 "8" at 13.994,1930.313 h4.37; Mechanical 7 "7" at 14.16,1940.313 h4.37; Mechanical 7 "6" at 14.156,1950.313 h4.37; Mechanical 7 "5" at 13.788,1960.313 h4.37; Mechanical 7 "4" at 14.302,1970.313 h4.37; Mechanical 7 "3" at 13.938,1980.313 h4.37; Mechanical 7 "2" at 13.938,1990.313 h4.37; Mechanical 7 "1" at 14.808,2000.313 h4.37; Mechanical 7 "0" at 14.043,2010.313 h4.37
ZBOAS2855391712: Mechanical 7 "А(10:1)(1)" at 679.123,2442.72 h15.36; Mechanical 7 "52" at 958.013,2176.125 h4.37; Mechanical 7 "51" at 948.187,2176.125 h4.37; Mechanical 7 "50" at 937.994,2176.125 h4.37; Mechanical 7 "49" at 927.94,2176.125 h4.37; Mechanical 7 "48" at 917.895,2176.125 h4.37; Mechanical 7 "47" at 907.881,2176.125 h4.37; Mechanical 7 "46" at 898.013,2176.125 h4.37; Mechanical 7 "45" at 887.885,2176.125 h4.37; Mechanical 7 "44" at 878.061,2176.125 h4.37; Mechanical 7 "43" at 867.964,2176.125 h4.37; Mechanical 7 "42" at 857.966,2176.125 h4.37; Mechanical 7 "41" at 848.14,2176.125 h4.37; Mechanical 7 "40" at 837.948,2176.125 h4.37; Mechanical 7 "39" at 827.982,2176.125 h4.37; Mechanical 7 "38" at 817.938,2176.125 h4.37; Mechanical 7 "37" at 807.924,2176.125 h4.37; Mechanical 7 "36" at 798.055,2176.125 h4.37; Mechanical 7 "35" at 787.928,2176.125 h4.37; Mechanical 7 "34" at 778.104,2176.125 h4.37; Mechanical 7 "33" at 768.007,2176.125 h4.37; Mechanical 7 "32" at 758.009,2176.125 h4.37; Mechanical 7 "31" at 748.183,2176.125 h4.37; Mechanical 7 "30" at 737.99,2176.125 h4.37; Mechanical 7 "29" at 727.98,2176.125 h4.37; Mechanical 7 "28" at 717.936,2176.125 h4.37; Mechanical 7 "27" at 707.922,2176.125 h4.37; Mechanical 7 "26" at 698.053,2176.125 h4.37; Mechanical 7 "25" at 687.926,2176.125 h4.37; Mechanical 7 "24" at 678.102,2176.125 h4.37; Mechanical 7 "23" at 668.005,2176.125 h4.37; Mechanical 7 "22" at 658.007,2176.125 h4.37; Mechanical 7 "21" at 648.181,2176.125 h4.37; Mechanical 7 "20" at 637.988,2176.125 h4.37; Mechanical 7 "19" at 628.499,2176.125 h4.37; Mechanical 7 "18" at 618.454,2176.125 h4.37; Mechanical 7 "17" at 608.44,2176.125 h4.37; Mechanical 7 "16" at 598.571,2176.125 h4.37; Mechanical 7 "15" at 588.444,2176.125 h4.37; Mechanical 7 "14" at 578.62,2176.125 h4.37; Mechanical 7 "13" at 568.523,2176.125 h4.37; Mechanical 7 "12" at 558.525,2176.125 h4.37; Mechanical 7 "11" at 548.699,2176.125 h4.37; Mechanical 7 "10" at 538.507,2176.125 h4.37; Mechanical 7 "9" at 529.011,2176.125 h4.37; Mechanical 7 "8" at 518.93,2176.125 h4.37; Mechanical 7 "7" at 509.013,2176.125 h4.37; Mechanical 7 "6" at 499.011,2176.125 h4.37; Mechanical 7 "5" at 488.826,2176.125 h4.37; Mechanical 7 "4" at 479.084,2176.125 h4.37; Mechanical 7 "3" at 468.901,2176.125 h4.37; Mechanical 7 "2" at 458.901,2176.125 h4.37; Mechanical 7 "1" at 449.337,2176.125 h4.37; Mechanical 7 "0" at 438.954,2176.125 h4.37; Mechanical 7 "25" at 431.986,2430.312 h4.37; Mechanical 7 "24" at 432.339,2420.312 h4.37; Mechanical 7 "23" at 432.144,2410.312 h4.37; Mechanical 7 "22" at 432.148,2400.312 h4.37; Mechanical 7 "21" at 432.496,2390.312 h4.37; Mechanical 7 "20" at 432.112,2380.312 h4.37; Mechanical 7 "19" at 433.132,2370.312 h4.37; Mechanical 7 "18" at 433.043,2360.312 h4.37; Mechanical 7 "17" at 433.015,2350.312 h4.37; Mechanical 7 "16" at 433.278,2340.312 h4.37; Mechanical 7 "15" at 433.023,2330.312 h4.37; Mechanical 7 "14" at 433.375,2320.312 h4.37; Mechanical 7 "13" at 433.181,2310.312 h4.37; Mechanical 7 "12" at 433.185,2300.312 h4.37; Mechanical 7 "11" at 433.533,2290.312 h4.37; Mechanical 7 "10" at 433.148,2280.312 h4.37; Mechanical 7 "9" at 434.156,2270.312 h4.37; Mechanical 7 "8" at 433.994,2260.312 h4.37; Mechanical 7 "7" at 434.16,2250.312 h4.37; Mechanical 7 "6" at 434.156,2240.312 h4.37; Mechanical 7 "5" at 433.788,2230.312 h4.37; Mechanical 7 "4" at 434.302,2220.312 h4.37; Mechanical 7 "3" at 433.938,2210.312 h4.37; Mechanical 7 "2" at 433.938,2200.312 h4.37; Mechanical 7 "1" at 434.808,2190.312 h4.37; Mechanical 7 "0" at 434.043,2180.312 h4.37
ZBOAS5193991712: Mechanical 7 "А(10:1)(1)" at 1273.123,2442.72 h15.36; Mechanical 7 "52" at 1552.013,2176.125 h4.37; Mechanical 7 "51" at 1542.187,2176.125 h4.37; Mechanical 7 "50" at 1531.994,2176.125 h4.37; Mechanical 7 "49" at 1521.94,2176.125 h4.37; Mechanical 7 "48" at 1511.895,2176.125 h4.37; Mechanical 7 "47" at 1501.881,2176.125 h4.37; Mechanical 7 "46" at 1492.013,2176.125 h4.37; Mechanical 7 "45" at 1481.885,2176.125 h4.37; Mechanical 7 "44" at 1472.061,2176.125 h4.37; Mechanical 7 "43" at 1461.964,2176.125 h4.37; Mechanical 7 "42" at 1451.966,2176.125 h4.37; Mechanical 7 "41" at 1442.14,2176.125 h4.37; Mechanical 7 "40" at 1431.948,2176.125 h4.37; Mechanical 7 "39" at 1421.982,2176.125 h4.37; Mechanical 7 "38" at 1411.938,2176.125 h4.37; Mechanical 7 "37" at 1401.924,2176.125 h4.37; Mechanical 7 "36" at 1392.055,2176.125 h4.37; Mechanical 7 "35" at 1381.928,2176.125 h4.37; Mechanical 7 "34" at 1372.104,2176.125 h4.37; Mechanical 7 "33" at 1362.007,2176.125 h4.37; Mechanical 7 "32" at 1352.009,2176.125 h4.37; Mechanical 7 "31" at 1342.183,2176.125 h4.37; Mechanical 7 "30" at 1331.99,2176.125 h4.37; Mechanical 7 "29" at 1321.98,2176.125 h4.37; Mechanical 7 "28" at 1311.936,2176.125 h4.37; Mechanical 7 "27" at 1301.922,2176.125 h4.37; Mechanical 7 "26" at 1292.053,2176.125 h4.37; Mechanical 7 "25" at 1281.926,2176.125 h4.37; Mechanical 7 "24" at 1272.102,2176.125 h4.37; Mechanical 7 "23" at 1262.005,2176.125 h4.37; Mechanical 7 "22" at 1252.007,2176.125 h4.37; Mechanical 7 "21" at 1242.181,2176.125 h4.37; Mechanical 7 "20" at 1231.988,2176.125 h4.37; Mechanical 7 "19" at 1222.499,2176.125 h4.37; Mechanical 7 "18" at 1212.454,2176.125 h4.37; Mechanical 7 "17" at 1202.44,2176.125 h4.37; Mechanical 7 "16" at 1192.571,2176.125 h4.37; Mechanical 7 "15" at 1182.444,2176.125 h4.37; Mechanical 7 "14" at 1172.62,2176.125 h4.37; Mechanical 7 "13" at 1162.523,2176.125 h4.37; Mechanical 7 "12" at 1152.525,2176.125 h4.37; Mechanical 7 "11" at 1142.699,2176.125 h4.37; Mechanical 7 "10" at 1132.507,2176.125 h4.37; Mechanical 7 "9" at 1123.011,2176.125 h4.37; Mechanical 7 "8" at 1112.93,2176.125 h4.37; Mechanical 7 "7" at 1103.013,2176.125 h4.37; Mechanical 7 "6" at 1093.011,2176.125 h4.37; Mechanical 7 "5" at 1082.826,2176.125 h4.37; Mechanical 7 "4" at 1073.084,2176.125 h4.37; Mechanical 7 "3" at 1062.901,2176.125 h4.37; Mechanical 7 "2" at 1052.901,2176.125 h4.37; Mechanical 7 "1" at 1043.337,2176.125 h4.37; Mechanical 7 "0" at 1032.954,2176.125 h4.37; Mechanical 7 "25" at 1025.986,2430.312 h4.37; Mechanical 7 "24" at 1026.339,2420.312 h4.37; Mechanical 7 "23" at 1026.144,2410.312 h4.37; Mechanical 7 "22" at 1026.148,2400.312 h4.37; Mechanical 7 "21" at 1026.496,2390.312 h4.37; Mechanical 7 "20" at 1026.112,2380.312 h4.37; Mechanical 7 "19" at 1027.132,2370.312 h4.37; Mechanical 7 "18" at 1027.043,2360.312 h4.37; Mechanical 7 "17" at 1027.015,2350.312 h4.37; Mechanical 7 "16" at 1027.278,2340.312 h4.37; Mechanical 7 "15" at 1027.023,2330.312 h4.37; Mechanical 7 "14" at 1027.375,2320.312 h4.37; Mechanical 7 "13" at 1027.181,2310.312 h4.37; Mechanical 7 "12" at 1027.185,2300.312 h4.37; Mechanical 7 "11" at 1027.533,2290.312 h4.37; Mechanical 7 "10" at 1027.148,2280.312 h4.37; Mechanical 7 "9" at 1028.156,2270.312 h4.37; Mechanical 7 "8" at 1027.994,2260.312 h4.37; Mechanical 7 "7" at 1028.16,2250.312 h4.37; Mechanical 7 "6" at 1028.156,2240.312 h4.37; Mechanical 7 "5" at 1027.788,2230.312 h4.37; Mechanical 7 "4" at 1028.302,2220.312 h4.37; Mechanical 7 "3" at 1027.938,2210.312 h4.37; Mechanical 7 "2" at 1027.938,2200.312 h4.37; Mechanical 7 "1" at 1028.808,2190.312 h4.37; Mechanical 7 "0" at 1028.043,2180.312 h4.37
ZBOAS7532591712: Mechanical 7 "Б(10:1)(1)" at 1867.55,2446.56 h15.36; Mechanical 7 "52" at 2146.013,2434.5 h4.37; Mechanical 7 "51" at 2136.187,2434.5 h4.37; Mechanical 7 "50" at 2125.994,2434.5 h4.37; Mechanical 7 "49" at 2115.94,2434.5 h4.37; Mechanical 7 "48" at 2105.895,2434.5 h4.37; Mechanical 7 "47" at 2095.881,2434.5 h4.37; Mechanical 7 "46" at 2086.013,2434.5 h4.37; Mechanical 7 "45" at 2075.885,2434.5 h4.37; Mechanical 7 "44" at 2066.061,2434.5 h4.37; Mechanical 7 "43" at 2055.964,2434.5 h4.37; Mechanical 7 "42" at 2045.966,2434.5 h4.37; Mechanical 7 "41" at 2036.14,2434.5 h4.37; Mechanical 7 "40" at 2025.948,2434.5 h4.37; Mechanical 7 "39" at 2015.982,2434.5 h4.37; Mechanical 7 "38" at 2005.938,2434.5 h4.37; Mechanical 7 "37" at 1995.924,2434.5 h4.37; Mechanical 7 "36" at 1986.055,2434.5 h4.37; Mechanical 7 "35" at 1975.928,2434.5 h4.37; Mechanical 7 "34" at 1966.104,2434.5 h4.37; Mechanical 7 "33" at 1956.007,2434.5 h4.37; Mechanical 7 "32" at 1946.009,2434.5 h4.37; Mechanical 7 "31" at 1936.183,2434.5 h4.37; Mechanical 7 "30" at 1925.99,2434.5 h4.37; Mechanical 7 "29" at 1915.98,2434.5 h4.37; Mechanical 7 "28" at 1905.936,2434.5 h4.37; Mechanical 7 "27" at 1895.922,2434.5 h4.37; Mechanical 7 "26" at 1886.053,2434.5 h4.37; Mechanical 7 "25" at 1875.926,2434.5 h4.37; Mechanical 7 "24" at 1866.102,2434.5 h4.37; Mechanical 7 "23" at 1856.005,2434.5 h4.37; Mechanical 7 "22" at 1846.007,2434.5 h4.37; Mechanical 7 "21" at 1836.181,2434.5 h4.37; Mechanical 7 "20" at 1825.988,2434.5 h4.37; Mechanical 7 "19" at 1816.499,2434.5 h4.37; Mechanical 7 "18" at 1806.454,2434.5 h4.37; Mechanical 7 "17" at 1796.44,2434.5 h4.37; Mechanical 7 "16" at 1786.571,2434.5 h4.37; Mechanical 7 "15" at 1776.444,2434.5 h4.37; Mechanical 7 "14" at 1766.62,2434.5 h4.37; Mechanical 7 "13" at 1756.523,2434.5 h4.37; Mechanical 7 "12" at 1746.525,2434.5 h4.37; Mechanical 7 "11" at 1736.699,2434.5 h4.37; Mechanical 7 "10" at 1726.507,2434.5 h4.37; Mechanical 7 "9" at 1717.011,2434.5 h4.37; Mechanical 7 "8" at 1706.93,2434.5 h4.37; Mechanical 7 "7" at 1697.013,2434.5 h4.37; Mechanical 7 "6" at 1687.011,2434.5 h4.37; Mechanical 7 "5" at 1676.826,2434.5 h4.37; Mechanical 7 "4" at 1667.084,2434.5 h4.37; Mechanical 7 "3" at 1656.901,2434.5 h4.37; Mechanical 7 "2" at 1646.901,2434.5 h4.37; Mechanical 7 "1" at 1637.337,2434.5 h4.37; Mechanical 7 "0" at 1626.954,2434.5 h4.37; Mechanical 7 "25" at 1619.986,2180.313 h4.37; Mechanical 7 "24" at 1620.339,2190.313 h4.37; Mechanical 7 "23" at 1620.144,2200.313 h4.37; Mechanical 7 "22" at 1620.148,2210.313 h4.37; Mechanical 7 "21" at 1620.496,2220.313 h4.37; Mechanical 7 "20" at 1620.112,2230.313 h4.37; Mechanical 7 "19" at 1621.132,2240.313 h4.37; Mechanical 7 "18" at 1621.043,2250.313 h4.37; Mechanical 7 "17" at 1621.015,2260.313 h4.37; Mechanical 7 "16" at 1621.278,2270.313 h4.37; Mechanical 7 "15" at 1621.023,2280.313 h4.37; Mechanical 7 "14" at 1621.375,2290.313 h4.37; Mechanical 7 "13" at 1621.181,2300.313 h4.37; Mechanical 7 "12" at 1621.185,2310.313 h4.37; Mechanical 7 "11" at 1621.533,2320.313 h4.37; Mechanical 7 "10" at 1621.148,2330.313 h4.37; Mechanical 7 "9" at 1622.156,2340.313 h4.37; Mechanical 7 "8" at 1621.994,2350.313 h4.37; Mechanical 7 "7" at 1622.16,2360.313 h4.37; Mechanical 7 "6" at 1622.156,2370.313 h4.37; Mechanical 7 "5" at 1621.788,2380.313 h4.37; Mechanical 7 "4" at 1622.302,2390.313 h4.37; Mechanical 7 "3" at 1621.938,2400.313 h4.37; Mechanical 7 "2" at 1621.938,2410.313 h4.37; Mechanical 7 "1" at 1622.808,2420.313 h4.37; Mechanical 7 "0" at 1622.043,2430.313 h4.37